# Altium PCB usb_can_8.PcbDoc (part 4 of 4)
Units mil, origin at the board's own origin, x right, y up, seen from the top; angles counter-clockwise.
Board outline 3730 x 3762.41 mil, 2 copper layers (Top Layer, Bottom Layer); 368 components, 37 nets, 1564 pads, 1600 vias.
Unrouted connection lines stored in the file: 259.
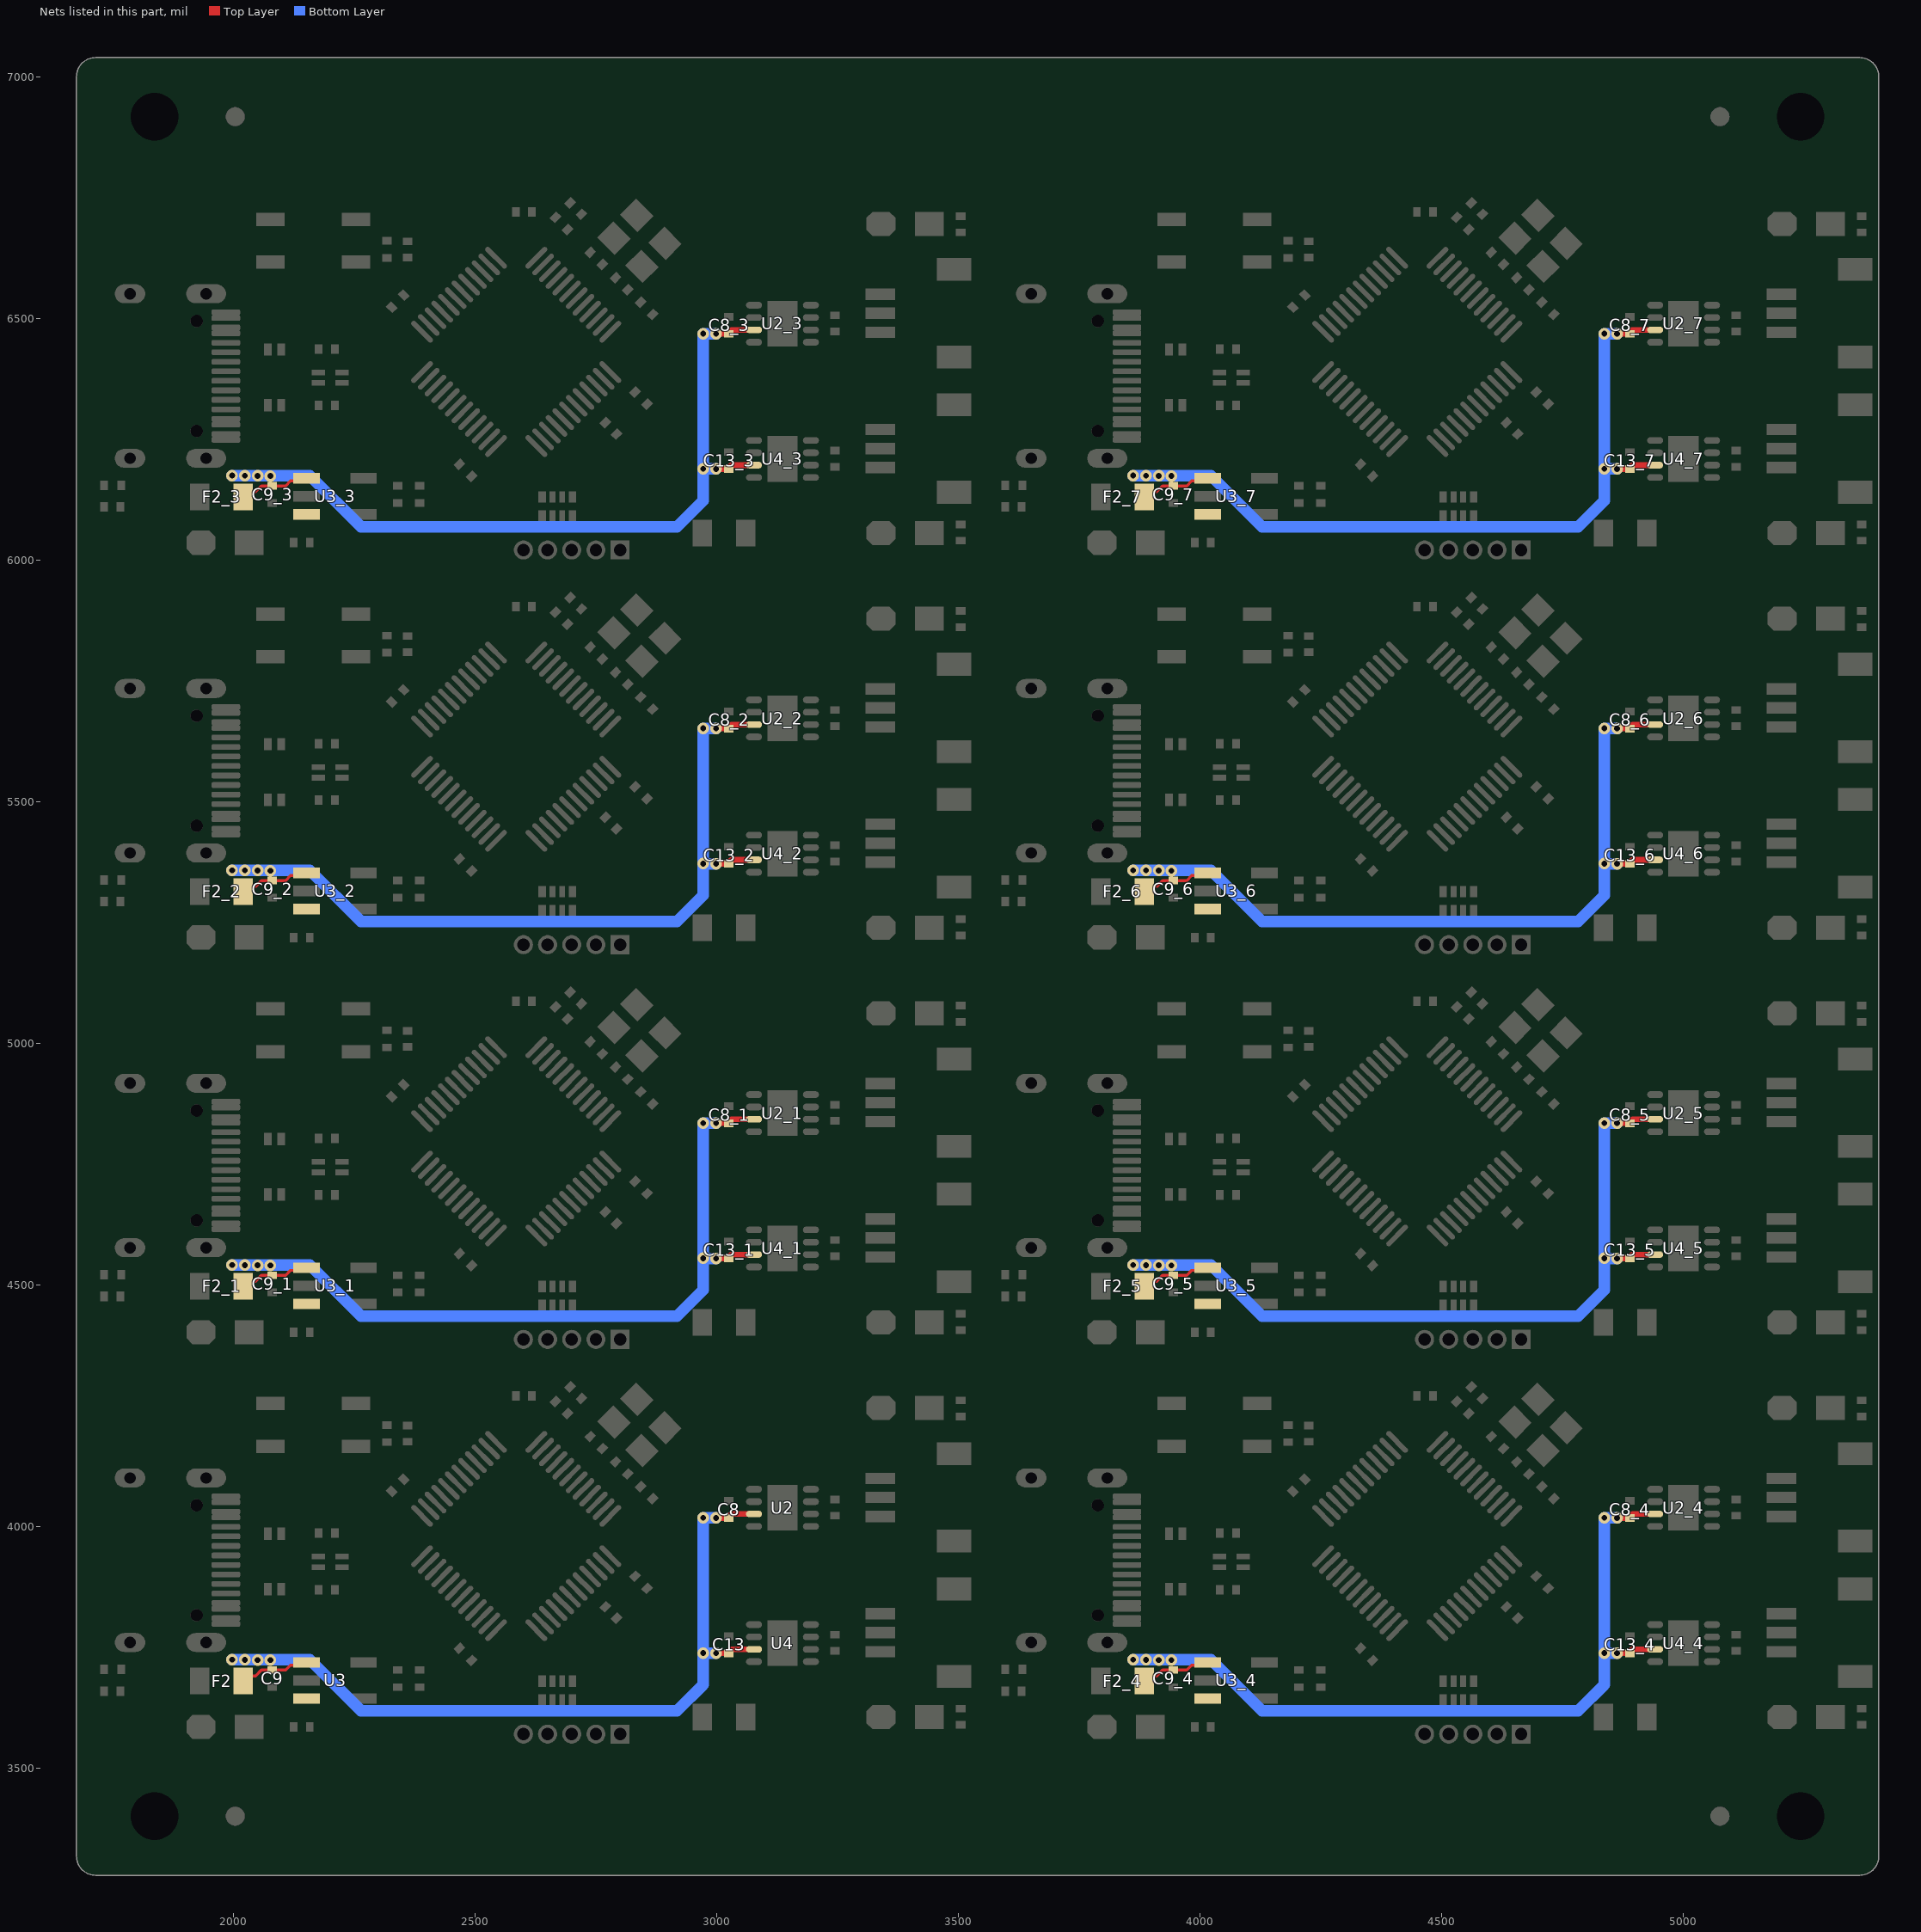
[diagram p4: the nets of this part, all layers, seen from the top]

## Via types
v1: diameter 24, hole 12, Top Layer to Bottom Layer, tented both sides, 1600 vias

## Nets (pads, with @x,y where several pads share a name; then routed paths per layer and width w, separated by ;. In a path a pad name is that pad's centre, name@x,y a point inside that pad or via, vN(x,y) a via of type N, cw(c..) or ccw(c..) an arc to the next point about the centre after c; other vN are vias at no path point) (continued)
VCC5V: C8.1 C8_1.1 C8_2.1 C8_3.1 C8_4.1 C8_5.1 C8_6.1 C8_7.1 C9.2 C9_1.2 C9_2.2 C9_3.2 C9_4.2 C9_5.2 C9_6.2 C9_7.2 C13.1 C13_1.1 C13_2.1 C13_3.1 C13_4.1 C13_5.1 C13_6.1 C13_7.1 F2.2 F2_1.2 F2_2.2 F2_3.2 F2_4.2 F2_5.2 F2_6.2 F2_7.2 U2.3 U2_1.3 U2_2.3 U2_3.3 U2_4.3 U2_5.3 U2_6.3 U2_7.3 U3.1 U3.3 U3_1.1 U3_1.3 U3_2.1 U3_2.3 U3_3.1 U3_3.3 U3_4.1 U3_4.3 U3_5.1 U3_5.3 U3_6.1 U3_6.3 U3_7.1 U3_7.3 U4.3 U4_1.3 U4_2.3 U4_3.3 U4_4.3 U4_5.3 U4_6.3 U4_7.3 | length 14030.6
  Top Layer w6: F2.2@2020,3680 2030.49,3690.49 2045.49,3690.49 2057.71,3702.71 C9.2@2080,3702.71 2107.71,3702.71 2117.9,3712.9 2145.37,3712.9 U3.1@2150.94,3718.48 ; F2_1.2@2020,4497 2030.49,4507.49 2045.49,4507.49 2057.71,4519.71 C9_1.2@2080,4519.71 2107.71,4519.71 2117.9,4529.9 2145.37,4529.9 U3_1.1@2150.94,4535.48 ; F2_2.2@2020,5314 2030.49,5324.49 2045.49,5324.49 2057.71,5336.71 C9_2.2@2080,5336.71 2107.71,5336.71 2117.9,5346.9 2145.37,5346.9 U3_2.1@2150.94,5352.48 ; F2_3.2@2020,6131 2030.49,6141.49 2045.49,6141.49 2057.71,6153.71 C9_3.2@2080,6153.71 2107.71,6153.71 2117.9,6163.9 2145.37,6163.9 U3_3.1@2150.94,6169.48 ; F2_4.2@3885,3680 3895.49,3690.49 3910.49,3690.49 3922.71,3702.71 C9_4.2@3945,3702.71 3972.71,3702.71 3982.9,3712.9 4010.37,3712.9 U3_4.1@4015.94,3718.48 ; F2_5.2@3885,4497 3895.49,4507.49 3910.49,4507.49 3922.71,4519.71 C9_5.2@3945,4519.71 3972.71,4519.71 3982.9,4529.9 4010.37,4529.9 U3_5.1@4015.94,4535.48 ; F2_6.2@3885,5314 3895.49,5324.49 3910.49,5324.49 3922.71,5336.71 C9_6.2@3945,5336.71 3972.71,5336.71 3982.9,5346.9 4010.37,5346.9 U3_6.1@4015.94,5352.48 ; F2_7.2@3885,6131 3895.49,6141.49 3910.49,6141.49 3922.71,6153.71 C9_7.2@3945,6153.71 3972.71,6153.71 3982.9,6163.9 4010.37,6163.9 U3_7.1@4015.94,6169.48
  Top Layer w12: v1(2998.59,3737.56) C13.1@3024.73,3737.56 ; v1(2998.59,4017.55) 3024.73,4017.55 C8.1@3025,4017.28 cw(c3033.31,4017.28) 3033.31,4025.59 U2.3@3077.28,4025.59 ; v1(2998.59,4554.56) C13_1.1@3024.73,4554.56 ; v1(2998.59,4834.56) 3024.73,4834.56 C8_1.1@3025,4834.28 cw(c3033.31,4834.28) 3033.31,4842.59 U2_1.3@3077.28,4842.59 ; v1(2998.59,5371.56) C13_2.1@3024.73,5371.56 ; v1(2998.59,5651.56) 3024.73,5651.56 C8_2.1@3025,5651.28 cw(c3033.31,5651.28) 3033.31,5659.59 U2_2.3@3077.28,5659.59 ; v1(2998.59,6188.56) C13_3.1@3024.73,6188.56 ; v1(2998.59,6468.56) 3024.73,6468.56 C8_3.1@3025,6468.28 cw(c3033.31,6468.28) 3033.31,6476.59 U2_3.3@3077.28,6476.59 ; C13.1@3025,3737.28 cw(c3033.31,3737.28) 3033.31,3745.59 U4.3@3077.28,3745.59 ; C13_1.1@3025,4554.28 cw(c3033.31,4554.28) 3033.31,4562.59 U4_1.3@3077.28,4562.59 ; C13_2.1@3025,5371.28 cw(c3033.31,5371.28) 3033.31,5379.59 U4_2.3@3077.28,5379.59 ; C13_3.1@3025,6188.28 cw(c3033.31,6188.28) 3033.31,6196.59 U4_3.3@3077.28,6196.59 ; v1(4863.59,3737.56) C13_4.1@4889.73,3737.56 ; v1(4863.59,4017.55) 4889.73,4017.55 C8_4.1@4890,4017.28 cw(c4898.31,4017.28) 4898.31,4025.59 U2_4.3@4942.28,4025.59 ; v1(4863.59,4554.56) C13_5.1@4889.73,4554.56 ; v1(4863.59,4834.56) 4889.73,4834.56 C8_5.1@4890,4834.28 cw(c4898.31,4834.28) 4898.31,4842.59 U2_5.3@4942.28,4842.59 ; v1(4863.59,5371.56) C13_6.1@4889.73,5371.56 ; v1(4863.59,5651.56) 4889.73,5651.56 C8_6.1@4890,5651.28 cw(c4898.31,5651.28) 4898.31,5659.59 U2_6.3@4942.28,5659.59 ; v1(4863.59,6188.56) C13_7.1@4889.73,6188.56 ; v1(4863.59,6468.56) 4889.73,6468.56 C8_7.1@4890,6468.28 cw(c4898.31,6468.28) 4898.31,6476.59 U2_7.3@4942.28,6476.59 ; C13_4.1@4890,3737.28 cw(c4898.31,3737.28) 4898.31,3745.59 U4_4.3@4942.28,3745.59 ; C13_5.1@4890,4554.28 cw(c4898.31,4554.28) 4898.31,4562.59 U4_5.3@4942.28,4562.59 ; C13_6.1@4890,5371.28 cw(c4898.31,5371.28) 4898.31,5379.59 U4_6.3@4942.28,5379.59 ; C13_7.1@4890,6188.28 cw(c4898.31,6188.28) 4898.31,6196.59 U4_7.3@4942.28,6196.59
  Bottom Layer w24: v1(1997,3724) 2023.41,3724 2049.83,3724 2076.24,3724 2087,3724 2158,3724 2264,3618 2918,3618 2972.17,3672.17 v1(2972.17,3737.83) ; v1(1997,4541) 2023.41,4541 2049.83,4541 2076.24,4541 2087,4541 2158,4541 2264,4435 2918,4435 2972.17,4489.17 v1(2972.17,4554.83) ; v1(1997,5358) 2023.41,5358 2049.83,5358 2076.24,5358 2087,5358 2158,5358 2264,5252 2918,5252 2972.17,5306.17 v1(2972.17,5371.83) ; v1(1997,6175) 2023.41,6175 2049.83,6175 2076.24,6175 2087,6175 2158,6175 2264,6069 2918,6069 2972.17,6123.17 v1(2972.17,6188.83) ; v1(2998.59,3737.56) 2972.45,3737.56 v1(2972.17,3737.83) ; v1(2998.59,4017.55) 2972.45,4017.55 v1(2972.17,4017.83) v1(2972.17,3737.83) ; v1(2998.59,4554.56) 2972.45,4554.56 v1(2972.17,4554.83) ; v1(2998.59,4834.56) 2972.45,4834.56 v1(2972.17,4834.83) v1(2972.17,4554.83) ; v1(2998.59,5371.56) 2972.45,5371.56 v1(2972.17,5371.83) ; v1(2998.59,5651.56) 2972.45,5651.56 v1(2972.17,5651.83) v1(2972.17,5371.83) ; v1(2998.59,6188.56) 2972.45,6188.56 v1(2972.17,6188.83) ; v1(2998.59,6468.56) 2972.45,6468.56 v1(2972.17,6468.83) v1(2972.17,6188.83) ; v1(3862,3724) 3888.41,3724 3914.83,3724 3941.24,3724 3952,3724 4023,3724 4129,3618 4783,3618 4837.17,3672.17 v1(4837.17,3737.83) ; v1(3862,4541) 3888.41,4541 3914.83,4541 3941.24,4541 3952,4541 4023,4541 4129,4435 4783,4435 4837.17,4489.17 v1(4837.17,4554.83) ; v1(3862,5358) 3888.41,5358 3914.83,5358 3941.24,5358 3952,5358 4023,5358 4129,5252 4783,5252 4837.17,5306.17 v1(4837.17,5371.83) ; v1(3862,6175) 3888.41,6175 3914.83,6175 3941.24,6175 3952,6175 4023,6175 4129,6069 4783,6069 4837.17,6123.17 v1(4837.17,6188.83) ; v1(4863.59,3737.56) 4837.45,3737.56 v1(4837.17,3737.83) ; v1(4863.59,4017.55) 4837.45,4017.55 v1(4837.17,4017.83) v1(4837.17,3737.83) ; v1(4863.59,4554.56) 4837.45,4554.56 v1(4837.17,4554.83) ; v1(4863.59,4834.56) 4837.45,4834.56 v1(4837.17,4834.83) v1(4837.17,4554.83) ; v1(4863.59,5371.56) 4837.45,5371.56 v1(4837.17,5371.83) ; v1(4863.59,5651.56) 4837.45,5651.56 v1(4837.17,5651.83) v1(4837.17,5371.83) ; v1(4863.59,6188.56) 4837.45,6188.56 v1(4837.17,6188.83) ; v1(4863.59,6468.56) 4837.45,6468.56 v1(4837.17,6468.83) v1(4837.17,6188.83)
  other v1: 2049.83,3723.46 2076.24,3723.19 3914.83,3723.46 3941.24,3723.19 2023.41,3723.73 3888.41,3723.73 2049.83,4540.46 2076.24,4540.19 3914.83,4540.46 3941.24,4540.19 2023.41,4540.73 3888.41,4540.73 2049.83,5357.46 2076.24,5357.19 3914.83,5357.46 3941.24,5357.19 2023.41,5357.73 3888.41,5357.73 2049.83,6174.46 2076.24,6174.19 3914.83,6174.46 3941.24,6174.19 2023.41,6174.73 3888.41,6174.73
pads on no net: Designator11_3_3.Mark Designator11_3_3_1.Mark Designator11_3_3_1_1.Mark Designator11_3_3_2.Mark Designator110_3_3.Mark Designator110_3_3_1.Mark Designator110_3_3_1_1.Mark Designator110_3_3_2.Mark P1.MP1 P1.MP2 P1_1.MP1 P1_1.MP2 P1_2.MP1 P1_2.MP2 P1_3.MP1 P1_3.MP2 P1_4.MP1 P1_4.MP2 P1_5.MP1 P1_5.MP2 P1_6.MP1 P1_6.MP2 P1_7.MP1 P1_7.MP2 P2.MP1 P2.MP2 P2_1.MP1 P2_1.MP2 P2_2.MP1 P2_2.MP2 P2_3.MP1 P2_3.MP2 P2_4.MP1 P2_4.MP2 P2_5.MP1 P2_5.MP2 P2_6.MP1 P2_6.MP2 P2_7.MP1 P2_7.MP2 U1.2 U1.3 U1.4 U1.10 U1.11 U1.12 U1.13 U1.14 U1.15 U1.16 U1.17 U1.18 U1.20 U1.25 U1.26 U1.27 U1.28 U1.29 U1.30 U1.31 U1.38 U1.43 U1_1.2 U1_1.3 U1_1.4 U1_1.10 U1_1.11 U1_1.12 U1_1.13 U1_1.14 U1_1.15 U1_1.16 U1_1.17 U1_1.18 U1_1.20 U1_1.25 U1_1.26 U1_1.27 U1_1.28 U1_1.29 U1_1.30 U1_1.31 U1_1.38 U1_1.43 U1_2.2 U1_2.3 U1_2.4 U1_2.10 U1_2.11 U1_2.12 U1_2.13 U1_2.14 U1_2.15 U1_2.16 U1_2.17 U1_2.18 U1_2.20 U1_2.25 U1_2.26 U1_2.27 U1_2.28 U1_2.29 U1_2.30 U1_2.31 U1_2.38 U1_2.43 U1_3.2 U1_3.3 U1_3.4 U1_3.10 U1_3.11 U1_3.12 U1_3.13 U1_3.14 U1_3.15 U1_3.16 U1_3.17 U1_3.18 U1_3.20 U1_3.25 U1_3.26 U1_3.27 U1_3.28 U1_3.29 U1_3.30 U1_3.31 U1_3.38 U1_3.43 U1_4.2 U1_4.3 U1_4.4 U1_4.10 U1_4.11 U1_4.12 U1_4.13 U1_4.14 U1_4.15 U1_4.16 U1_4.17 U1_4.18 U1_4.20 U1_4.25 U1_4.26 U1_4.27 U1_4.28 U1_4.29 U1_4.30 U1_4.31 U1_4.38 U1_4.43 U1_5.2 U1_5.3 U1_5.4 U1_5.10 U1_5.11 U1_5.12 U1_5.13 U1_5.14 U1_5.15 U1_5.16 U1_5.17 U1_5.18 U1_5.20 U1_5.25 U1_5.26 U1_5.27 U1_5.28 U1_5.29 U1_5.30 U1_5.31 U1_5.38 U1_5.43 U1_6.2 U1_6.3 U1_6.4 U1_6.10 U1_6.11 U1_6.12 U1_6.13 U1_6.14 U1_6.15 U1_6.16 U1_6.17 U1_6.18 U1_6.20 U1_6.25 U1_6.26 U1_6.27 U1_6.28 U1_6.29 U1_6.30 U1_6.31 U1_6.38 U1_6.43 U1_7.2 U1_7.3 U1_7.4 U1_7.10 U1_7.11 U1_7.12 U1_7.13 U1_7.14 U1_7.15 U1_7.16 U1_7.17 U1_7.18 U1_7.20 U1_7.25 U1_7.26 U1_7.27 U1_7.28 U1_7.29 U1_7.30 U1_7.31 U1_7.38 U1_7.43 U2.5 U2_1.5 U2_2.5 U2_3.5 U2_4.5 U2_5.5 U2_6.5 U2_7.5 U3.4 U3_1.4 U3_2.4 U3_3.4 U3_4.4 U3_5.4 U3_6.4 U3_7.4 U4.5 U4_1.5 U4_2.5 U4_3.5 U4_4.5 U4_5.5 U4_6.5 U4_7.5 USB1.0 USB1.2 USB1.3 USB1.A5 USB1.A8 USB1.B5 USB1.B8 USB1_1.0 USB1_1.2 USB1_1.3 USB1_1.A5 USB1_1.A8 USB1_1.B5 USB1_1.B8 USB1_2.0 USB1_2.2 USB1_2.3 USB1_2.A5 USB1_2.A8 USB1_2.B5 USB1_2.B8 USB1_3.0 USB1_3.2 USB1_3.3 USB1_3.A5 USB1_3.A8 USB1_3.B5 USB1_3.B8 USB1_4.0 USB1_4.2 USB1_4.3 USB1_4.A5 USB1_4.A8 USB1_4.B5 USB1_4.B8 USB1_5.0 USB1_5.2 USB1_5.3 USB1_5.A5 USB1_5.A8 USB1_5.B5 USB1_5.B8 USB1_6.0 USB1_6.2 USB1_6.3 USB1_6.A5 USB1_6.A8 USB1_6.B5 USB1_6.B8 USB1_7.0 USB1_7.2 USB1_7.3 USB1_7.A5 USB1_7.A8 USB1_7.B5 USB1_7.B8

## Polygon pours and split planes (outlines as drawn)
GND on Top Layer "NONET_L01_P-001" (solid, remove dead copper, pour order 80): 3554,6782 3554,5987 5395,5987 5395,6782
VCC3V3 on Top Layer "NONET_L01_P-001" (solid, pour order 78): 4734,6520 ccw(c4734,6498.27) 4718.64,6513.64 4717,6512 cw(c4688.03,6540.97) 4688.03,6500 4680.63,6500 ccw(c4680.63,6445.37) 4642,6484 4611.85,6453.85 cw(c4576,6489.7) 4576,6439 ccw(c4592.9,6422.1) 4569,6422.1 4569,6416 ccw(c4578.66,6425.66) 4578.66,6412 4594.86,6412 cw(c4594.86,6377.86) 4619,6402 4677.81,6343.19 ccw(c4700,6365.38) 4700,6334 ccw(c4700,6362.97) 4720.49,6342.49 4751,6373 ccw(c4709.96,6414.04) 4768,6414.04 4768,6490.69 ccw(c4740.69,6490.69) 4760,6510 ccw(c4735.86,6485.86) 4735.86,6520
VCC3V3 on Top Layer "NONET_L01_P-001" (solid, pour order 77): 4106.83,6194 ccw(c4106.83,6187.17) 4102,6192 ccw(c4104.41,6189.59) 4101,6189.59 4101,6159.83 ccw(c4107.83,6159.83) 4103,6155 ccw(c4112.66,6164.66) 4112.66,6151 4167.86,6151 cw(c4167.86,6116.86) 4192,6141 ccw(c4201.66,6150.66) 4201.66,6137 4266.34,6137 cw(c4266.34,6123.34) 4276,6133 cw(c4254.27,6111.27) 4285,6111.27 4285,6099.24 ccw(c4295.24,6099.24) 4288,6092 ccw(c4300.07,6104.07) 4300.07,6087 4385.34,6087 ccw(c4385.34,6100.66) 4395,6091 ccw(c4380.51,6105.49) 4401,6105.49 4401,6167.34 ccw(c4387.34,6167.34) 4397,6177 ccw(c4373.34,6153.34) 4373.34,6186.8 4358.92,6186.8 ccw(c4358.92,6164.78) 4343.35,6180.35 4342,6179 cw(c4327.51,6193.49) 4327.51,6173 4309.97,6173 cw(c4309.97,6213.97) 4281,6185 ccw(c4259.27,6163.27) 4259.27,6194
VCC5V on Top Layer "NONET_L01_P-001" (solid, pour order 76): 3864,6193 ccw(c3864,6177) 3848,6177 3848,6107 ccw(c3860,6107) 3860,6095 3913,6095 ccw(c3913,6104) 3922,6104 3922,6120 cw(c3935,6120) 3935,6133 3969,6133 ccw(c3969,6142) 3978,6142 cw(c3989,6142) 3989,6153 4048,6153 cw(c4048,6146) 4055,6146 4055,6115 cw(c4051,6115) 4051,6111 3991,6111 ccw(c3991,6103) 3983,6103 3983,6085 ccw(c3987,6085) 3987,6081 4063,6081 ccw(c4063,6092) 4074,6092 4074,6181 ccw(c4062,6181) 4062,6193
USBVCC on Top Layer "NONET_L01_P-001" (solid, pour order 75): 3879.59,6488 cw(c3879.59,6484.59) 3882,6487 cw(c3879.59,6484.59) 3883,6484.59 3883,6468.83 cw(c3876.18,6468.83) 3881,6464 cw(c3878.59,6466.41) 3878.59,6463 3784.31,6463 ccw(c3784.31,6435.69) 3765,6455 ccw(c3769.83,6450.17) 3763,6450.17 3763,6308.83 ccw(c3769.83,6308.83) 3765,6304 ccw(c3777.07,6316.07) 3777.07,6299 3878.17,6299 cw(c3878.17,6292.18) 3883,6297 cw(c3880.59,6294.59) 3884,6294.59 3884,6279 cw(c3879.18,6279) 3882.59,6275.59 3882,6275 cw(c3877.17,6279.83) 3877.17,6273 3781.56,6273 ccw(c3781.55,6235.45) 3755,6262 ccw(c3774.31,6242.69) 3747,6242.69 3747,6196 ccw(c3775.97,6196) 3755.59,6175.41 3764,6167 ccw(c3768.83,6171.83) 3768.83,6165 3816.76,6165 cw(c3816.76,6154.76) 3824,6162 cw(c3819.18,6157.17) 3826,6157.17 3826,6098.83 cw(c3819.18,6098.83) 3824,6094 cw(c3807.1,6110.9) 3807.1,6087 3714.49,6087 cw(c3714.49,6107.48) 3700,6093 cw(c3724.14,6117.14) 3691,6108.94 3691,6337 3691,6465.69 cw(c3718.31,6465.69) 3699,6485 cw(c3706.24,6477.76) 3706.24,6488
GND on Top Layer "NONET_L01_P-001" (solid, remove dead copper, pour order 74): 3554,5965 3554,5170 5395,5170 5395,5965
VCC3V3 on Top Layer "NONET_L01_P-001" (solid, pour order 72): 4734,5703 ccw(c4734,5681.27) 4718.64,5696.64 4717,5695 cw(c4688.03,5723.97) 4688.03,5683 4680.63,5683 ccw(c4680.63,5628.37) 4642,5667 4611.85,5636.85 cw(c4576,5672.7) 4576,5622 ccw(c4592.9,5605.1) 4569,5605.1 4569,5599 ccw(c4578.66,5608.66) 4578.66,5595 4594.86,5595 cw(c4594.86,5560.86) 4619,5585 4677.81,5526.19 ccw(c4700,5548.38) 4700,5517 ccw(c4700,5545.97) 4720.49,5525.49 4751,5556 ccw(c4709.96,5597.04) 4768,5597.04 4768,5673.69 ccw(c4740.69,5673.69) 4760,5693 ccw(c4735.86,5668.86) 4735.86,5703
VCC3V3 on Top Layer "NONET_L01_P-001" (solid, pour order 71): 4106.83,5377 ccw(c4106.83,5370.17) 4102,5375 ccw(c4104.41,5372.59) 4101,5372.59 4101,5342.83 ccw(c4107.83,5342.83) 4103,5338 ccw(c4112.66,5347.66) 4112.66,5334 4167.86,5334 cw(c4167.86,5299.86) 4192,5324 ccw(c4201.66,5333.66) 4201.66,5320 4266.34,5320 cw(c4266.34,5306.34) 4276,5316 cw(c4254.27,5294.27) 4285,5294.27 4285,5282.24 ccw(c4295.24,5282.24) 4288,5275 ccw(c4300.07,5287.07) 4300.07,5270 4385.34,5270 ccw(c4385.34,5283.66) 4395,5274 ccw(c4380.51,5288.49) 4401,5288.49 4401,5350.34 ccw(c4387.34,5350.34) 4397,5360 ccw(c4373.34,5336.34) 4373.34,5369.8 4358.92,5369.8 ccw(c4358.92,5347.78) 4343.35,5363.35 4342,5362 cw(c4327.51,5376.49) 4327.51,5356 4309.97,5356 cw(c4309.97,5396.97) 4281,5368 ccw(c4259.27,5346.27) 4259.27,5377
VCC5V on Top Layer "NONET_L01_P-001" (solid, pour order 70): 3864,5376 ccw(c3864,5360) 3848,5360 3848,5290 ccw(c3860,5290) 3860,5278 3913,5278 ccw(c3913,5287) 3922,5287 3922,5303 cw(c3935,5303) 3935,5316 3969,5316 ccw(c3969,5325) 3978,5325 cw(c3989,5325) 3989,5336 4048,5336 cw(c4048,5329) 4055,5329 4055,5298 cw(c4051,5298) 4051,5294 3991,5294 ccw(c3991,5286) 3983,5286 3983,5268 ccw(c3987,5268) 3987,5264 4063,5264 ccw(c4063,5275) 4074,5275 4074,5364 ccw(c4062,5364) 4062,5376
USBVCC on Top Layer "NONET_L01_P-001" (solid, pour order 69): 3879.59,5671 cw(c3879.59,5667.59) 3882,5670 cw(c3879.59,5667.59) 3883,5667.59 3883,5651.83 cw(c3876.18,5651.83) 3881,5647 cw(c3878.59,5649.41) 3878.59,5646 3784.31,5646 ccw(c3784.31,5618.69) 3765,5638 ccw(c3769.83,5633.17) 3763,5633.17 3763,5491.83 ccw(c3769.83,5491.83) 3765,5487 ccw(c3777.07,5499.07) 3777.07,5482 3878.17,5482 cw(c3878.17,5475.18) 3883,5480 cw(c3880.59,5477.59) 3884,5477.59 3884,5462 cw(c3879.18,5462) 3882.59,5458.59 3882,5458 cw(c3877.17,5462.83) 3877.17,5456 3781.56,5456 ccw(c3781.55,5418.45) 3755,5445 ccw(c3774.31,5425.69) 3747,5425.69 3747,5379 ccw(c3775.97,5379) 3755.59,5358.41 3764,5350 ccw(c3768.83,5354.83) 3768.83,5348 3816.76,5348 cw(c3816.76,5337.76) 3824,5345 cw(c3819.18,5340.17) 3826,5340.17 3826,5281.83 cw(c3819.18,5281.83) 3824,5277 cw(c3807.1,5293.9) 3807.1,5270 3714.49,5270 cw(c3714.49,5290.48) 3700,5276 cw(c3724.14,5300.14) 3691,5291.94 3691,5520 3691,5648.69 cw(c3718.31,5648.69) 3699,5668 cw(c3706.24,5660.76) 3706.24,5671